# KiCad board Encoder_I2C_AS5600_Panel.kicad_pcb (continued)
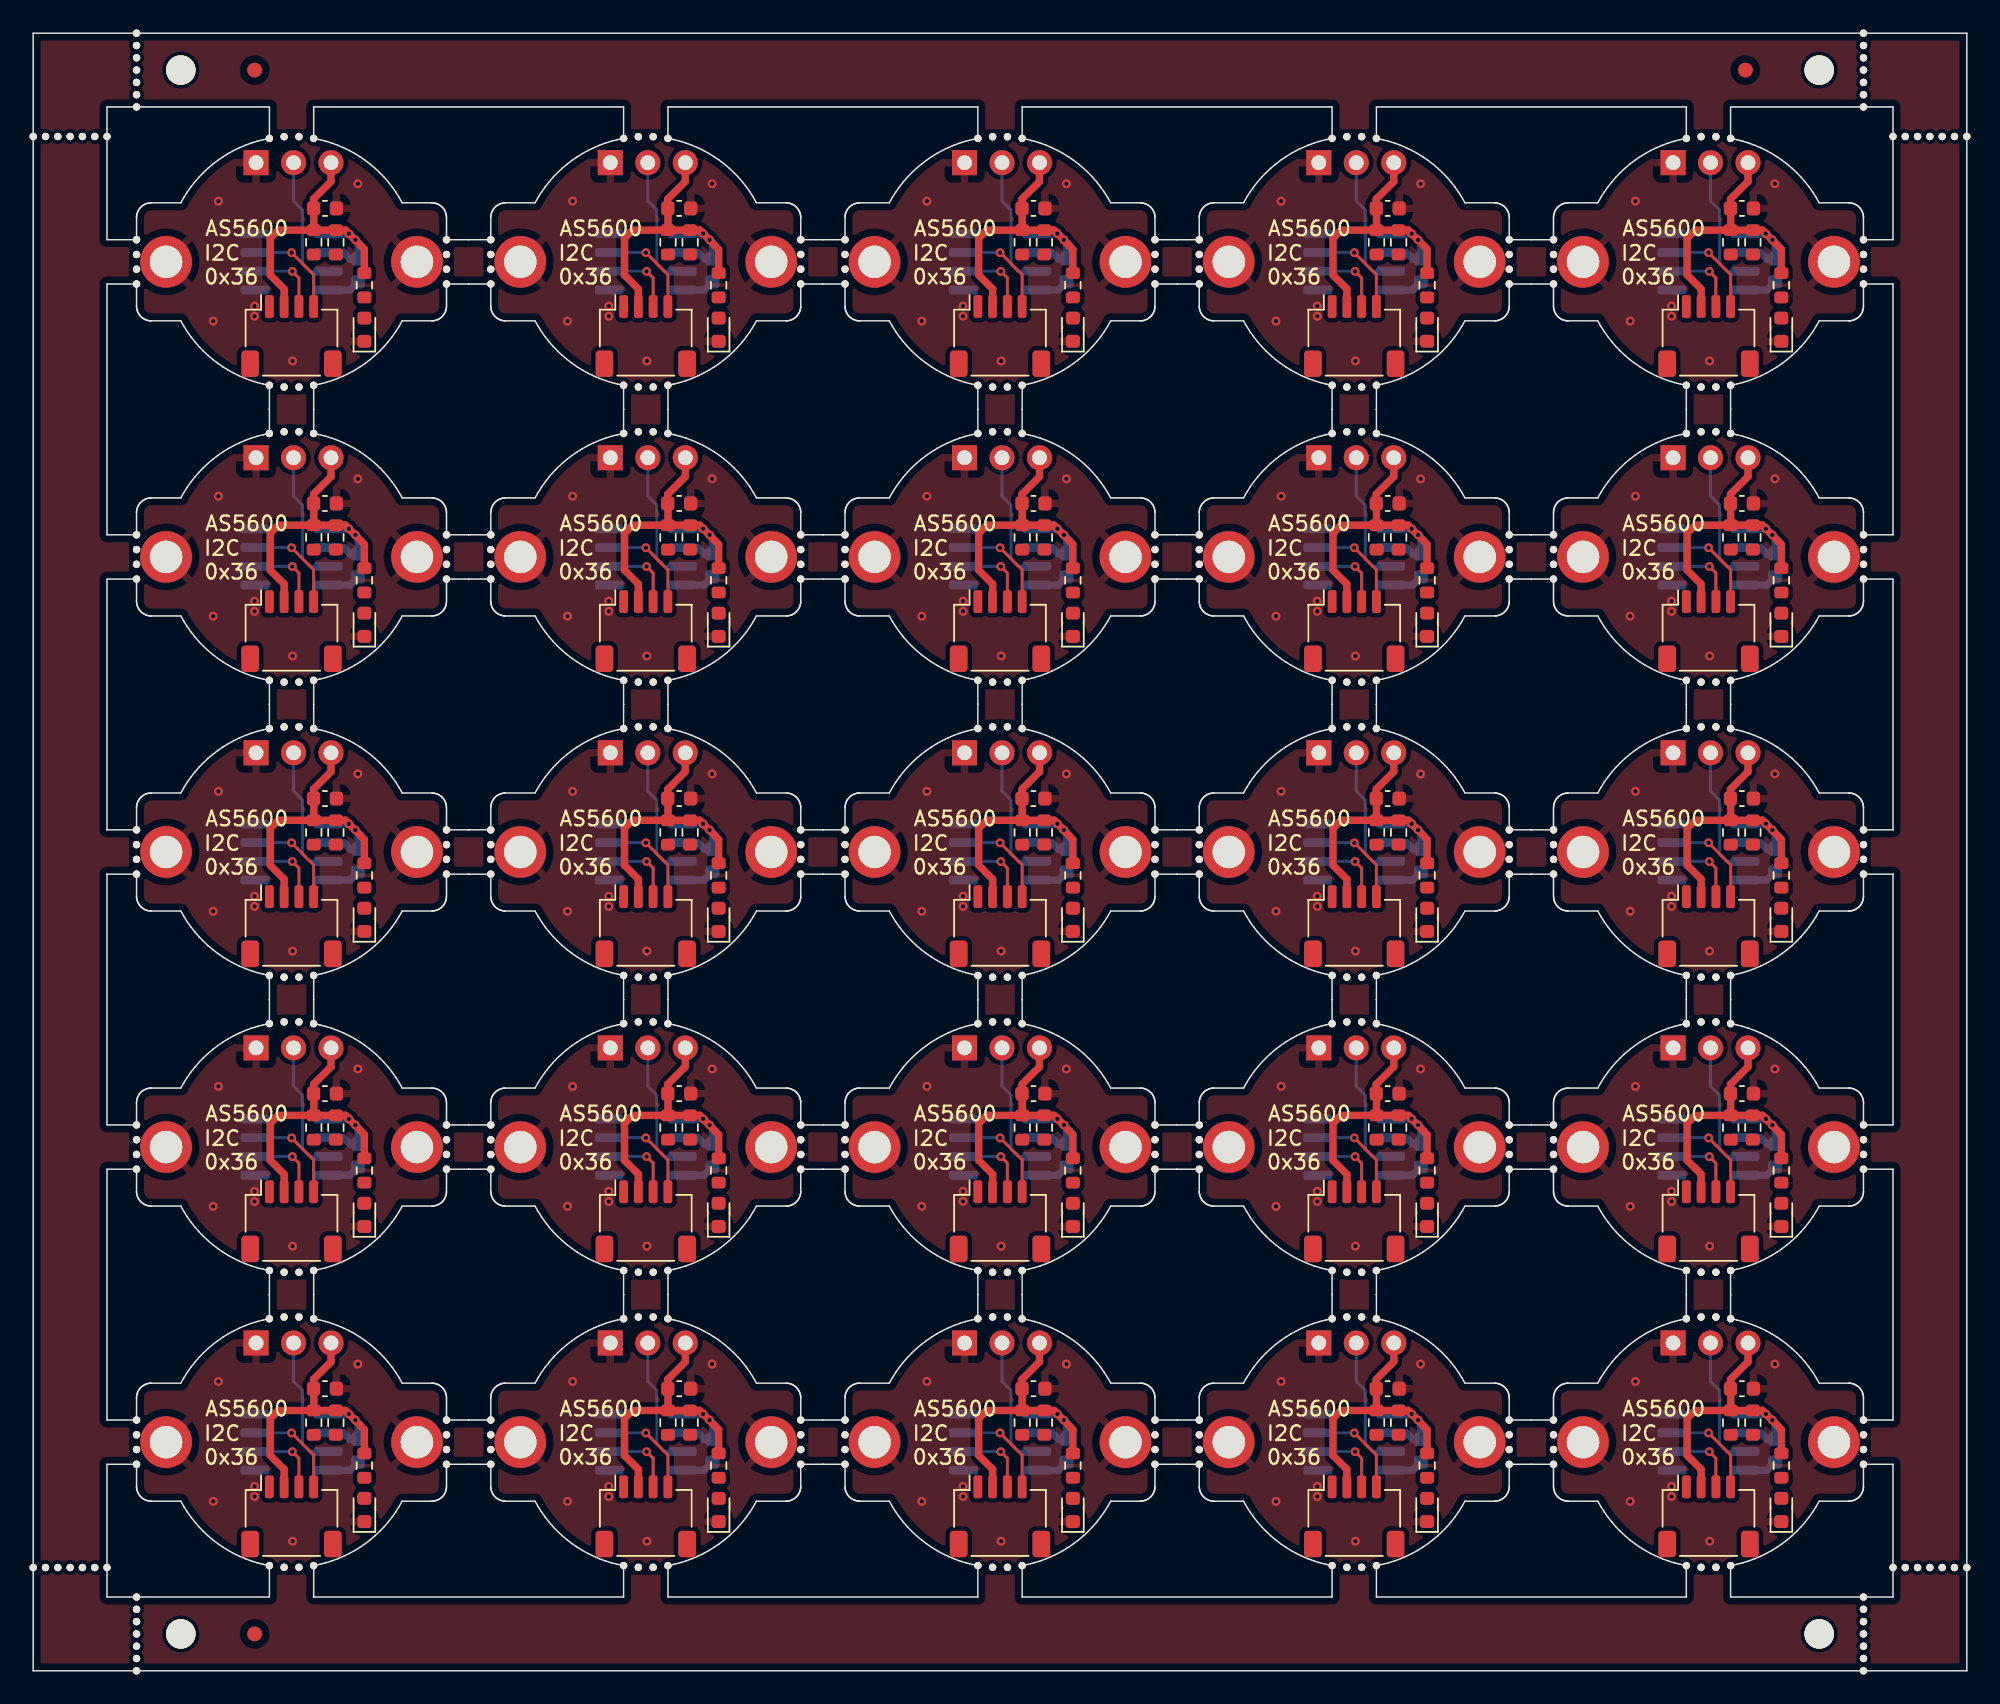
[diagram p0: board, top side]
## Routing (per net, layer and track width the routed paths; a pad name or vN(x,y) marks a point on that pad's centre or on a via; arc(x,y) is an arc through that point) (continued)
Board_21-/SCL: length 6.8
  Top w0.2: v1(41.51,16.12) 43,14.63 J1#4.4
  Bottom w0.2: v1(41.51,16.12) 41.5,16.13 IC1#19.7
Board_21-/SDA: length 5.1
  Top w0.2: J1#4.3 42,14.41 v1(41.56,14.85)
  Bottom w0.2: v1(41.56,14.85) 41.54,14.86 IC1#19.6
Board_21-GND: length 2.3
  Bottom w0.5: C2#16.1 45.46,13.59 IC1#19.4
  vias: v1(36.2,11.48) v1(36.55,19.61) v1(39,12.5) v1(39,11.81) v1(41.58,8.78) v1(46,20.79)
Board_21-VDD: length 24.8
  Top w0.5: 45.15,17.65 R2#4.1 R3#4.1 ; 45.15,17.65 v1(45.39,17.41) ; 45.15,17.65 45.81,16.99 v1(45.83,16.99) 45.83,16.97 46.21,16.59 46.21,16.57 46.44,16.34 R1#16.1 ; J3#17.3 44.18,20.94 42.99,19.76 C1#22.1 43.01,19.11 R3#4.1 ; R3#4.1 40.6,17.65 40.06,17.1 40.06,14.6 41,13.66 J1#4.2
  Bottom w0.5: IC1#19.1 45.38,17.4 v1(45.39,17.41) 45.81,16.99 v1(45.83,16.99) 46.02,16.8 C2#16.2 45.46,15.7 45.03,16.13 IC1#19.2
Board_22-/OUT: length 9.1
  Bottom w0.2: IC1#24.3 66.73,14.86 66.25,15.34 66.25,19.01 65.64,19.62 J3#12.2
Board_22-/SCL: length 6.8
  Top w0.2: v1(65.51,16.12) 67,14.63 J1#6.4
  Bottom w0.2: IC1#24.7 65.5,16.13 v1(65.51,16.12)
Board_22-/SDA: length 5.1
  Top w0.2: J1#6.3 66,14.41 v1(65.56,14.85)
  Bottom w0.2: IC1#24.6 65.54,14.86 v1(65.56,14.85)
Board_22-GND: length 2.3
  Bottom w0.5: IC1#24.4 69.46,13.59 C2#19.1
  vias: v1(60.2,11.48) v1(60.55,19.61) v1(63,12.5) v1(63,11.81) v1(65.58,8.78) v1(70,20.79)
Board_22-VDD: length 24.8
  Top w0.5: 69.15,17.65 v1(69.39,17.41) ; 69.15,17.65 R2#25.1 R3#5.1 ; 69.15,17.65 69.81,16.99 v1(69.83,16.99) 69.83,16.97 70.21,16.59 70.21,16.57 70.44,16.34 R1#2.1 ; R3#5.1 67.01,19.11 C1#9.1 66.99,19.76 68.18,20.94 J3#12.3 ; R3#5.1 64.6,17.65 64.06,17.1 64.06,14.6 65,13.66 J1#6.2
  Bottom w0.5: IC1#24.2 69.03,16.13 69.46,15.7 C2#19.2 70.02,16.8 v1(69.83,16.99) 69.81,16.99 v1(69.39,17.41) 69.38,17.4 IC1#24.1
Board_23-/OUT: length 9.1
  Bottom w0.2: IC1#12.3 90.73,14.86 90.25,15.34 90.25,19.01 89.64,19.62 J3#3.2
Board_23-/SCL: length 6.8
  Top w0.2: J1#17.4 91,14.63 v1(89.51,16.12)
  Bottom w0.2: v1(89.51,16.12) 89.5,16.13 IC1#12.7
Board_23-/SDA: length 5.1
  Top w0.2: v1(89.56,14.85) 90,14.41 J1#17.3
  Bottom w0.2: IC1#12.6 89.54,14.86 v1(89.56,14.85)
Board_23-GND: length 2.3
  Bottom w0.5: C2.1 93.46,13.59 IC1#12.4
  vias: v1(84.2,11.48) v1(84.55,19.61) v1(87,12.5) v1(87,11.81) v1(89.58,8.78) v1(94,20.79)
Board_23-VDD: length 24.8
  Top w0.5: R3#21.1 91.01,19.11 C1#2.1 90.99,19.76 92.18,20.94 J3#3.3 ; R3#21.1 88.6,17.65 88.06,17.1 88.06,14.6 89,13.66 J1#17.2 ; R3#21.1 R2#6.1 93.15,17.65 ; 93.15,17.65 93.81,16.99 v1(93.83,16.99) 93.83,16.97 94.21,16.59 94.21,16.57 94.44,16.34 R1#23.1 ; 93.15,17.65 v1(93.39,17.41)
  Bottom w0.5: IC1#12.1 93.38,17.4 v1(93.39,17.41) 93.81,16.99 v1(93.83,16.99) 94.02,16.8 C2.2 93.46,15.7 93.03,16.13 IC1#12.2
Board_24-/OUT: length 9.1
  Bottom w0.2: IC1#4.3 114.73,14.86 114.25,15.34 114.25,19.01 113.64,19.62 J3#24.2
Board_24-/SCL: length 6.8
  Top w0.2: J1#12.4 115,14.63 v1(113.51,16.12)
  Bottom w0.2: v1(113.51,16.12) 113.5,16.13 IC1#4.7
Board_24-/SDA: length 5.1
  Top w0.2: v1(113.56,14.85) 114,14.41 J1#12.3
  Bottom w0.2: v1(113.56,14.85) 113.54,14.86 IC1#4.6
Board_24-GND: length 2.3
  Bottom w0.5: C2#20.1 117.46,13.59 IC1#4.4
  vias: v1(108.2,11.48) v1(108.55,19.61) v1(111,12.5) v1(111,11.81) v1(113.58,8.78) v1(118,20.79)
Board_24-VDD: length 24.8
  Top w0.5: 117.15,17.65 R2#9.1 R3#3.1 ; 117.15,17.65 117.81,16.99 v1(117.83,16.99) 117.83,16.97 118.21,16.59 118.21,16.57 118.44,16.34 R1#4.1 ; 117.15,17.65 v1(117.39,17.41) ; R3#3.1 112.6,17.65 112.06,17.1 112.06,14.6 113,13.66 J1#12.2 ; R3#3.1 115.01,19.11 C1#20.1 114.99,19.76 116.18,20.94 J3#24.3
  Bottom w0.5: IC1#4.2 117.03,16.13 117.46,15.7 C2#20.2 118.02,16.8 v1(117.83,16.99) 117.81,16.99 v1(117.39,17.41) 117.38,17.4 IC1#4.1

## Copper pours and planes (outline as drawn; the poured copper is in the pictures)
(no net) on Top: 78.5,54.5 78.5,56.5 76.5,56.5 76.5,54.5
(no net) on Top: 42.5,26.56 42.19,26.52 42.17,26.52 41.74,26.5 41.71,26.5 41.29,26.5 41.26,26.5 40.83,26.52 40.81,26.52 40.5,26.56 40.5,24.44 40.81,24.47 40.83,24.47 41.26,24.49 41.29,24.49 41.71,24.49 41.74,24.49 42.17,24.47 42.19,24.47 42.5,24.44
(no net) on Top: 102.5,14.5 102.5,16.5 100.5,16.5 100.5,14.5
(no net) on Top: 100.5,96.5 100.5,94.5 102.5,94.5 102.5,96.5
(no net) on Top: 30.5,54.5 30.5,56.5 28.5,56.5 28.5,54.5
(no net) on Top: 54.5,34.5 54.5,36.5 52.5,36.5 52.5,34.5
(no net) on Top: 114.5,86.56 114.19,86.52 114.17,86.52 113.74,86.5 113.71,86.5 113.29,86.5 113.26,86.5 112.83,86.52 112.81,86.52 112.5,86.56 112.5,84.44 112.81,84.47 112.83,84.47 113.26,84.49 113.29,84.49 113.71,84.49 113.74,84.49 114.17,84.47 114.19,84.47 114.5,84.44
(no net) on Top: 100.5,36.5 100.5,34.5 102.5,34.5 102.5,36.5
(no net) on Top: 130.5,0.5 130.5,110.49 0.5,110.49 0.5,0.5 ; 1 cut-out
(no net) on Top: 54.5,74.5 54.5,76.5 52.5,76.5 52.5,74.5
(no net) on Top: 78.5,14.5 78.5,16.5 76.5,16.5 76.5,14.5
(no net) on Top: 114.5,66.56 114.19,66.52 114.17,66.52 113.74,66.5 113.71,66.5 113.29,66.5 113.26,66.5 112.83,66.52 112.81,66.52 112.5,66.56 112.5,64.44 112.81,64.47 112.83,64.47 113.26,64.49 113.29,64.49 113.71,64.49 113.74,64.49 114.17,64.47 114.19,64.47 114.5,64.44
(no net) on Top: 30.5,74.5 30.5,76.5 28.5,76.5 28.5,74.5
(no net) on Top: 90.5,26.56 90.19,26.52 90.17,26.52 89.74,26.5 89.71,26.5 89.29,26.5 89.26,26.5 88.83,26.52 88.81,26.52 88.5,26.56 88.5,24.44 88.81,24.47 88.83,24.47 89.26,24.49 89.29,24.49 89.71,24.49 89.74,24.49 90.17,24.47 90.19,24.47 90.5,24.44
(no net) on Top: 90.5,46.56 90.19,46.52 90.17,46.52 89.74,46.5 89.71,46.5 89.29,46.5 89.26,46.5 88.83,46.52 88.81,46.52 88.5,46.56 88.5,44.44 88.81,44.47 88.83,44.47 89.26,44.49 89.29,44.49 89.71,44.49 89.74,44.49 90.17,44.47 90.19,44.47 90.5,44.44
(no net) on Top: 76.5,96.5 76.5,94.5 78.5,94.5 78.5,96.5
(no net) on Top: 52.5,56.5 52.5,54.5 54.5,54.5 54.5,56.5
(no net) on Top: 28.5,96.5 28.5,94.5 30.5,94.5 30.5,96.5
(no net) on Top: 66.5,66.56 66.19,66.52 66.17,66.52 65.74,66.5 65.71,66.5 65.29,66.5 65.26,66.5 64.83,66.52 64.81,66.52 64.5,66.56 64.5,64.44 64.81,64.47 64.83,64.47 65.26,64.49 65.29,64.49 65.71,64.49 65.74,64.49 66.17,64.47 66.19,64.47 66.5,64.44
(no net) on Top: 18.5,46.56 18.19,46.52 18.17,46.52 17.74,46.5 17.71,46.5 17.29,46.5 17.26,46.5 16.83,46.52 16.81,46.52 16.5,46.56 16.5,44.44 16.81,44.47 16.83,44.47 17.26,44.49 17.29,44.49 17.71,44.49 17.74,44.49 18.17,44.47 18.19,44.47 18.5,44.44
(no net) on Top: 30.5,34.5 30.5,36.5 28.5,36.5 28.5,34.5
(no net) on Top: 90.5,66.56 90.19,66.52 90.17,66.52 89.74,66.5 89.71,66.5 89.29,66.5 89.26,66.5 88.83,66.52 88.81,66.52 88.5,66.56 88.5,64.44 88.81,64.47 88.83,64.47 89.26,64.49 89.29,64.49 89.71,64.49 89.74,64.49 90.17,64.47 90.19,64.47 90.5,64.44
(no net) on Top: 66.5,46.56 66.19,46.52 66.17,46.52 65.74,46.5 65.71,46.5 65.29,46.5 65.26,46.5 64.83,46.52 64.81,46.52 64.5,46.56 64.5,44.44 64.81,44.47 64.83,44.47 65.26,44.49 65.29,44.49 65.71,44.49 65.74,44.49 66.17,44.47 66.19,44.47 66.5,44.44
(no net) on Top: 66.5,86.56 66.19,86.52 66.17,86.52 65.74,86.5 65.71,86.5 65.29,86.5 65.26,86.5 64.83,86.52 64.81,86.52 64.5,86.56 64.5,84.44 64.81,84.47 64.83,84.47 65.26,84.49 65.29,84.49 65.71,84.49 65.74,84.49 66.17,84.47 66.19,84.47 66.5,84.44
(no net) on Top: 102.5,74.5 102.5,76.5 100.5,76.5 100.5,74.5
(no net) on Top: 76.5,36.5 76.5,34.5 78.5,34.5 78.5,36.5
(no net) on Top: 114.5,46.56 114.19,46.52 114.17,46.52 113.74,46.5 113.71,46.5 113.29,46.5 113.26,46.5 112.83,46.52 112.81,46.52 112.5,46.56 112.5,44.44 112.81,44.47 112.83,44.47 113.26,44.49 113.29,44.49 113.71,44.49 113.74,44.49 114.17,44.47 114.19,44.47 114.5,44.44
(no net) on Top: 66.5,26.56 66.19,26.52 66.17,26.52 65.74,26.5 65.71,26.5 65.29,26.5 65.26,26.5 64.83,26.52 64.81,26.52 64.5,26.56 64.5,24.44 64.81,24.47 64.83,24.47 65.26,24.49 65.29,24.49 65.71,24.49 65.74,24.49 66.17,24.47 66.19,24.47 66.5,24.44
(no net) on Top: 18.5,26.56 18.19,26.52 18.17,26.52 17.74,26.5 17.71,26.5 17.29,26.5 17.26,26.5 16.83,26.52 16.81,26.52 16.5,26.56 16.5,24.44 16.81,24.47 16.83,24.47 17.26,24.49 17.29,24.49 17.71,24.49 17.74,24.49 18.17,24.47 18.19,24.47 18.5,24.44
(no net) on Top: 102.5,54.5 102.5,56.5 100.5,56.5 100.5,54.5
(no net) on Top: 42.5,66.56 42.19,66.52 42.17,66.52 41.74,66.5 41.71,66.5 41.29,66.5 41.26,66.5 40.83,66.52 40.81,66.52 40.5,66.56 40.5,64.44 40.81,64.47 40.83,64.47 41.26,64.49 41.29,64.49 41.71,64.49 41.74,64.49 42.17,64.47 42.19,64.47 42.5,64.44
(no net) on Top: 52.5,96.5 52.5,94.5 54.5,94.5 54.5,96.5
(no net) on Top: 18.5,66.56 18.19,66.52 18.17,66.52 17.74,66.5 17.71,66.5 17.29,66.5 17.26,66.5 16.83,66.52 16.81,66.52 16.5,66.56 16.5,64.44 16.81,64.47 16.83,64.47 17.26,64.49 17.29,64.49 17.71,64.49 17.74,64.49 18.17,64.47 18.19,64.47 18.5,64.44
(no net) on Top: 42.5,46.56 42.19,46.52 42.17,46.52 41.74,46.5 41.71,46.5 41.29,46.5 41.26,46.5 40.83,46.52 40.81,46.52 40.5,46.56 40.5,44.44 40.81,44.47 40.83,44.47 41.26,44.49 41.29,44.49 41.71,44.49 41.74,44.49 42.17,44.47 42.19,44.47 42.5,44.44
(no net) on Top: 28.5,16.5 28.5,14.5 30.5,14.5 30.5,16.5
(no net) on Top: 52.5,16.5 52.5,14.5 54.5,14.5 54.5,16.5
(no net) on Top: 114.5,26.56 114.19,26.52 114.17,26.52 113.74,26.5 113.71,26.5 113.29,26.5 113.26,26.5 112.83,26.52 112.81,26.52 112.5,26.56 112.5,24.44 112.81,24.47 112.83,24.47 113.26,24.49 113.29,24.49 113.71,24.49 113.74,24.49 114.17,24.47 114.19,24.47 114.5,24.44
(no net) on Top: 78.5,74.5 78.5,76.5 76.5,76.5 76.5,74.5
(no net) on Top: 18.5,86.56 18.19,86.52 18.17,86.52 17.74,86.5 17.71,86.5 17.29,86.5 17.26,86.5 16.83,86.52 16.81,86.52 16.5,86.56 16.5,84.44 16.81,84.47 16.83,84.47 17.26,84.49 17.29,84.49 17.71,84.49 17.74,84.49 18.17,84.47 18.19,84.47 18.5,84.44
(no net) on Top: 90.5,86.56 90.19,86.52 90.17,86.52 89.74,86.5 89.71,86.5 89.29,86.5 89.26,86.5 88.83,86.52 88.81,86.52 88.5,86.56 88.5,84.44 88.81,84.47 88.83,84.47 89.26,84.49 89.29,84.49 89.71,84.49 89.74,84.49 90.17,84.47 90.19,84.47 90.5,84.44
(no net) on Top: 42.5,86.56 42.19,86.52 42.17,86.52 41.74,86.5 41.71,86.5 41.29,86.5 41.26,86.5 40.83,86.52 40.81,86.52 40.5,86.56 40.5,84.44 40.81,84.47 40.83,84.47 41.26,84.49 41.29,84.49 41.71,84.49 41.74,84.49 42.17,84.47 42.19,84.47 42.5,84.44
(no net) on Bottom: 52.5,56.5 52.5,54.5 54.5,54.5 54.5,56.5
(no net) on Bottom: 42.5,66.56 42.19,66.52 42.17,66.52 41.74,66.5 41.71,66.5 41.29,66.5 41.26,66.5 40.83,66.52 40.81,66.52 40.5,66.56 40.5,64.44 40.81,64.47 40.83,64.47 41.26,64.49 41.29,64.49 41.71,64.49 41.74,64.49 42.17,64.47 42.19,64.47 42.5,64.44
(no net) on Bottom: 102.5,14.5 102.5,16.5 100.5,16.5 100.5,14.5
(no net) on Bottom: 54.5,34.5 54.5,36.5 52.5,36.5 52.5,34.5
(no net) on Bottom: 90.5,26.56 90.19,26.52 90.17,26.52 89.74,26.5 89.71,26.5 89.29,26.5 89.26,26.5 88.83,26.52 88.81,26.52 88.5,26.56 88.5,24.44 88.81,24.47 88.83,24.47 89.26,24.49 89.29,24.49 89.71,24.49 89.74,24.49 90.17,24.47 90.19,24.47 90.5,24.44
(no net) on Bottom: 114.5,46.56 114.19,46.52 114.17,46.52 113.74,46.5 113.71,46.5 113.29,46.5 113.26,46.5 112.83,46.52 112.81,46.52 112.5,46.56 112.5,44.44 112.81,44.47 112.83,44.47 113.26,44.49 113.29,44.49 113.71,44.49 113.74,44.49 114.17,44.47 114.19,44.47 114.5,44.44
(no net) on Bottom: 78.5,54.5 78.5,56.5 76.5,56.5 76.5,54.5
(no net) on Bottom: 30.5,34.5 30.5,36.5 28.5,36.5 28.5,34.5
(no net) on Bottom: 28.5,16.5 28.5,14.5 30.5,14.5 30.5,16.5
(no net) on Bottom: 66.5,46.56 66.19,46.52 66.17,46.52 65.74,46.5 65.71,46.5 65.29,46.5 65.26,46.5 64.83,46.52 64.81,46.52 64.5,46.56 64.5,44.44 64.81,44.47 64.83,44.47 65.26,44.49 65.29,44.49 65.71,44.49 65.74,44.49 66.17,44.47 66.19,44.47 66.5,44.44
(no net) on Bottom: 42.5,26.56 42.19,26.52 42.17,26.52 41.74,26.5 41.71,26.5 41.29,26.5 41.26,26.5 40.83,26.52 40.81,26.52 40.5,26.56 40.5,24.44 40.81,24.47 40.83,24.47 41.26,24.49 41.29,24.49 41.71,24.49 41.74,24.49 42.17,24.47 42.19,24.47 42.5,24.44
(no net) on Bottom: 102.5,54.5 102.5,56.5 100.5,56.5 100.5,54.5
(no net) on Bottom: 18.5,66.56 18.19,66.52 18.17,66.52 17.74,66.5 17.71,66.5 17.29,66.5 17.26,66.5 16.83,66.52 16.81,66.52 16.5,66.56 16.5,64.44 16.81,64.47 16.83,64.47 17.26,64.49 17.29,64.49 17.71,64.49 17.74,64.49 18.17,64.47 18.19,64.47 18.5,64.44
(no net) on Bottom: 114.5,26.56 114.19,26.52 114.17,26.52 113.74,26.5 113.71,26.5 113.29,26.5 113.26,26.5 112.83,26.52 112.81,26.52 112.5,26.56 112.5,24.44 112.81,24.47 112.83,24.47 113.26,24.49 113.29,24.49 113.71,24.49 113.74,24.49 114.17,24.47 114.19,24.47 114.5,24.44
(no net) on Bottom: 78.5,74.5 78.5,76.5 76.5,76.5 76.5,74.5
(no net) on Bottom: 18.5,46.56 18.19,46.52 18.17,46.52 17.74,46.5 17.71,46.5 17.29,46.5 17.26,46.5 16.83,46.52 16.81,46.52 16.5,46.56 16.5,44.44 16.81,44.47 16.83,44.47 17.26,44.49 17.29,44.49 17.71,44.49 17.74,44.49 18.17,44.47 18.19,44.47 18.5,44.44
(no net) on Bottom: 90.5,86.56 90.19,86.52 90.17,86.52 89.74,86.5 89.71,86.5 89.29,86.5 89.26,86.5 88.83,86.52 88.81,86.52 88.5,86.56 88.5,84.44 88.81,84.47 88.83,84.47 89.26,84.49 89.29,84.49 89.71,84.49 89.74,84.49 90.17,84.47 90.19,84.47 90.5,84.44
(no net) on Bottom: 54.5,74.5 54.5,76.5 52.5,76.5 52.5,74.5
(no net) on Bottom: 52.5,16.5 52.5,14.5 54.5,14.5 54.5,16.5
(no net) on Bottom: 66.5,66.56 66.19,66.52 66.17,66.52 65.74,66.5 65.71,66.5 65.29,66.5 65.26,66.5 64.83,66.52 64.81,66.52 64.5,66.56 64.5,64.44 64.81,64.47 64.83,64.47 65.26,64.49 65.29,64.49 65.71,64.49 65.74,64.49 66.17,64.47 66.19,64.47 66.5,64.44
(no net) on Bottom: 130.5,0.5 130.5,110.49 0.5,110.49 0.5,0.5 ; 1 cut-out
(no net) on Bottom: 100.5,96.5 100.5,94.5 102.5,94.5 102.5,96.5
(no net) on Bottom: 18.5,86.56 18.19,86.52 18.17,86.52 17.74,86.5 17.71,86.5 17.29,86.5 17.26,86.5 16.83,86.52 16.81,86.52 16.5,86.56 16.5,84.44 16.81,84.47 16.83,84.47 17.26,84.49 17.29,84.49 17.71,84.49 17.74,84.49 18.17,84.47 18.19,84.47 18.5,84.44
(no net) on Bottom: 30.5,54.5 30.5,56.5 28.5,56.5 28.5,54.5
(no net) on Bottom: 18.5,26.56 18.19,26.52 18.17,26.52 17.74,26.5 17.71,26.5 17.29,26.5 17.26,26.5 16.83,26.52 16.81,26.52 16.5,26.56 16.5,24.44 16.81,24.47 16.83,24.47 17.26,24.49 17.29,24.49 17.71,24.49 17.74,24.49 18.17,24.47 18.19,24.47 18.5,24.44
(no net) on Bottom: 30.5,74.5 30.5,76.5 28.5,76.5 28.5,74.5
(no net) on Bottom: 100.5,36.5 100.5,34.5 102.5,34.5 102.5,36.5
(no net) on Bottom: 90.5,46.56 90.19,46.52 90.17,46.52 89.74,46.5 89.71,46.5 89.29,46.5 89.26,46.5 88.83,46.52 88.81,46.52 88.5,46.56 88.5,44.44 88.81,44.47 88.83,44.47 89.26,44.49 89.29,44.49 89.71,44.49 89.74,44.49 90.17,44.47 90.19,44.47 90.5,44.44
(no net) on Bottom: 76.5,96.5 76.5,94.5 78.5,94.5 78.5,96.5
(no net) on Bottom: 102.5,74.5 102.5,76.5 100.5,76.5 100.5,74.5
(no net) on Bottom: 28.5,96.5 28.5,94.5 30.5,94.5 30.5,96.5
(no net) on Bottom: 78.5,14.5 78.5,16.5 76.5,16.5 76.5,14.5
(no net) on Bottom: 52.5,96.5 52.5,94.5 54.5,94.5 54.5,96.5
(no net) on Bottom: 66.5,86.56 66.19,86.52 66.17,86.52 65.74,86.5 65.71,86.5 65.29,86.5 65.26,86.5 64.83,86.52 64.81,86.52 64.5,86.56 64.5,84.44 64.81,84.47 64.83,84.47 65.26,84.49 65.29,84.49 65.71,84.49 65.74,84.49 66.17,84.47 66.19,84.47 66.5,84.44
(no net) on Bottom: 66.5,26.56 66.19,26.52 66.17,26.52 65.74,26.5 65.71,26.5 65.29,26.5 65.26,26.5 64.83,26.52 64.81,26.52 64.5,26.56 64.5,24.44 64.81,24.47 64.83,24.47 65.26,24.49 65.29,24.49 65.71,24.49 65.74,24.49 66.17,24.47 66.19,24.47 66.5,24.44
(no net) on Bottom: 42.5,86.56 42.19,86.52 42.17,86.52 41.74,86.5 41.71,86.5 41.29,86.5 41.26,86.5 40.83,86.52 40.81,86.52 40.5,86.56 40.5,84.44 40.81,84.47 40.83,84.47 41.26,84.49 41.29,84.49 41.71,84.49 41.74,84.49 42.17,84.47 42.19,84.47 42.5,84.44
(no net) on Bottom: 114.5,66.56 114.19,66.52 114.17,66.52 113.74,66.5 113.71,66.5 113.29,66.5 113.26,66.5 112.83,66.52 112.81,66.52 112.5,66.56 112.5,64.44 112.81,64.47 112.83,64.47 113.26,64.49 113.29,64.49 113.71,64.49 113.74,64.49 114.17,64.47 114.19,64.47 114.5,64.44
(no net) on Bottom: 114.5,86.56 114.19,86.52 114.17,86.52 113.74,86.5 113.71,86.5 113.29,86.5 113.26,86.5 112.83,86.52 112.81,86.52 112.5,86.56 112.5,84.44 112.81,84.47 112.83,84.47 113.26,84.49 113.29,84.49 113.71,84.49 113.74,84.49 114.17,84.47 114.19,84.47 114.5,84.44
(no net) on Bottom: 90.5,66.56 90.19,66.52 90.17,66.52 89.74,66.5 89.71,66.5 89.29,66.5 89.26,66.5 88.83,66.52 88.81,66.52 88.5,66.56 88.5,64.44 88.81,64.47 88.83,64.47 89.26,64.49 89.29,64.49 89.71,64.49 89.74,64.49 90.17,64.47 90.19,64.47 90.5,64.44
(no net) on Bottom: 76.5,36.5 76.5,34.5 78.5,34.5 78.5,36.5
(no net) on Bottom: 42.5,46.56 42.19,46.52 42.17,46.52 41.74,46.5 41.71,46.5 41.29,46.5 41.26,46.5 40.83,46.52 40.81,46.52 40.5,46.56 40.5,44.44 40.81,44.47 40.83,44.47 41.26,44.49 41.29,44.49 41.71,44.49 41.74,44.49 42.17,44.47 42.19,44.47 42.5,44.44
Board_0-GND on Top, Bottom: 6.51,104.62 28.31,104.57 28.25,86.55 6.45,86.6
Board_1-GND on Top, Bottom: 30.51,104.62 52.31,104.57 52.25,86.55 30.45,86.6
Board_2-GND on Top, Bottom: 54.51,104.62 76.31,104.57 76.25,86.55 54.45,86.6
Board_3-GND on Top, Bottom: 78.51,104.62 100.31,104.57 100.25,86.55 78.45,86.6
Board_4-GND on Top, Bottom: 102.51,104.62 124.31,104.57 124.25,86.55 102.45,86.6
Board_5-GND on Top, Bottom: 6.51,84.62 28.31,84.57 28.25,66.55 6.45,66.6
Board_6-GND on Top, Bottom: 30.51,84.62 52.31,84.57 52.25,66.55 30.45,66.6
Board_7-GND on Top, Bottom: 54.51,84.62 76.31,84.57 76.25,66.55 54.45,66.6
Board_8-GND on Top, Bottom: 78.51,84.62 100.31,84.57 100.25,66.55 78.45,66.6
Board_9-GND on Top, Bottom: 102.51,84.62 124.31,84.57 124.25,66.55 102.45,66.6
Board_10-GND on Top, Bottom: 6.51,64.62 28.31,64.57 28.25,46.55 6.45,46.6
Board_11-GND on Top, Bottom: 30.51,64.62 52.31,64.57 52.25,46.55 30.45,46.6
Board_12-GND on Top, Bottom: 54.51,64.62 76.31,64.57 76.25,46.55 54.45,46.6
Board_13-GND on Top, Bottom: 78.51,64.62 100.31,64.57 100.25,46.55 78.45,46.6
Board_14-GND on Top, Bottom: 102.51,64.62 124.31,64.57 124.25,46.55 102.45,46.6
Board_15-GND on Top, Bottom: 6.51,44.62 28.31,44.57 28.25,26.55 6.45,26.6
Board_16-GND on Top, Bottom: 30.51,44.62 52.31,44.57 52.25,26.55 30.45,26.6
Board_17-GND on Top, Bottom: 54.51,44.62 76.31,44.57 76.25,26.55 54.45,26.6
Board_18-GND on Top, Bottom: 78.51,44.62 100.31,44.57 100.25,26.55 78.45,26.6
Board_19-GND on Top, Bottom: 102.51,44.62 124.31,44.57 124.25,26.55 102.45,26.6
Board_20-GND on Top, Bottom: 6.51,24.62 28.31,24.57 28.25,6.55 6.45,6.6
Board_21-GND on Top, Bottom: 30.51,24.62 52.31,24.57 52.25,6.55 30.45,6.6
Board_22-GND on Top, Bottom: 54.51,24.62 76.31,24.57 76.25,6.55 54.45,6.6
Board_23-GND on Top, Bottom: 78.51,24.62 100.31,24.57 100.25,6.55 78.45,6.6
Board_24-GND on Top, Bottom: 102.51,24.62 124.31,24.57 124.25,6.55 102.45,6.6

## Text on the board
B.Silkscreen: gnd | out | 3v3 | sda | scl | v1 | 10bit | ©2024 | runger
F.Silkscreen: I2C / 0x36 | AS5600
